# Altium PCB CSI2-IMX8M-EVK_Rev02.PcbDoc (part 1 of 2)
Units mm, origin at the board's own origin, x right, y up, seen from the top; angles counter-clockwise.
Board outline 42.53 x 74.03 mm, 4 copper layers (Layer1 Top, Layer2, Layer3, Layer4 Bottom), stack 1.59 mm thick; 126 components, 84 nets, 450 pads, 190 vias.
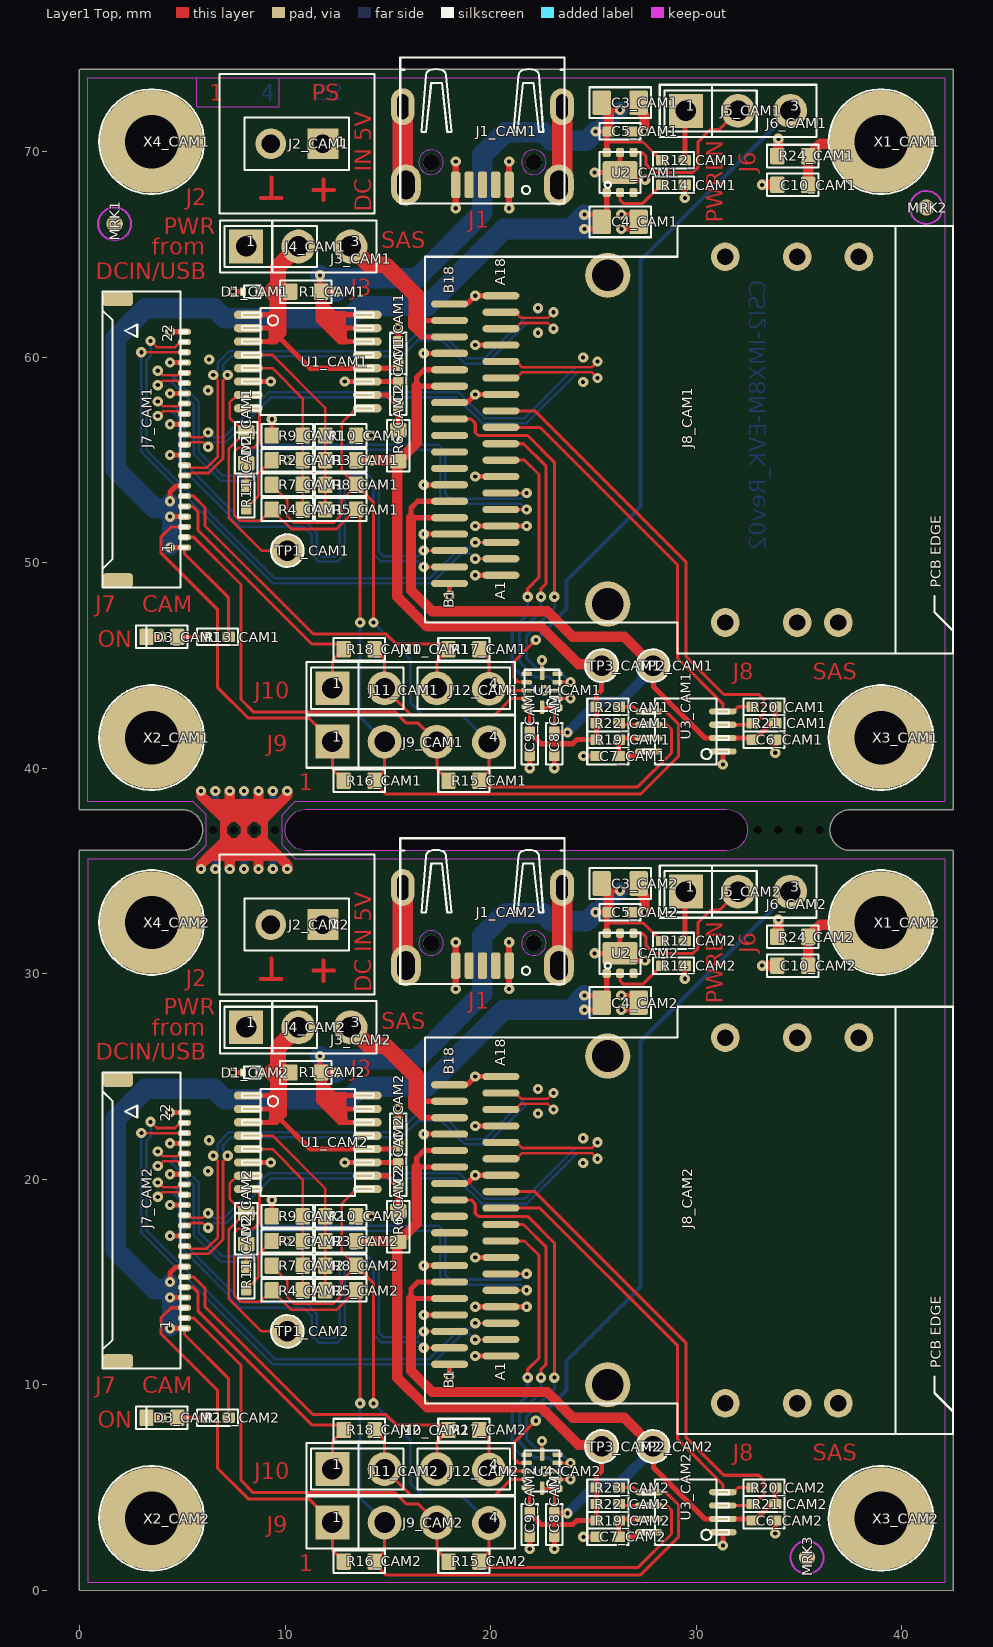
[diagram p0: Layer1 Top view]
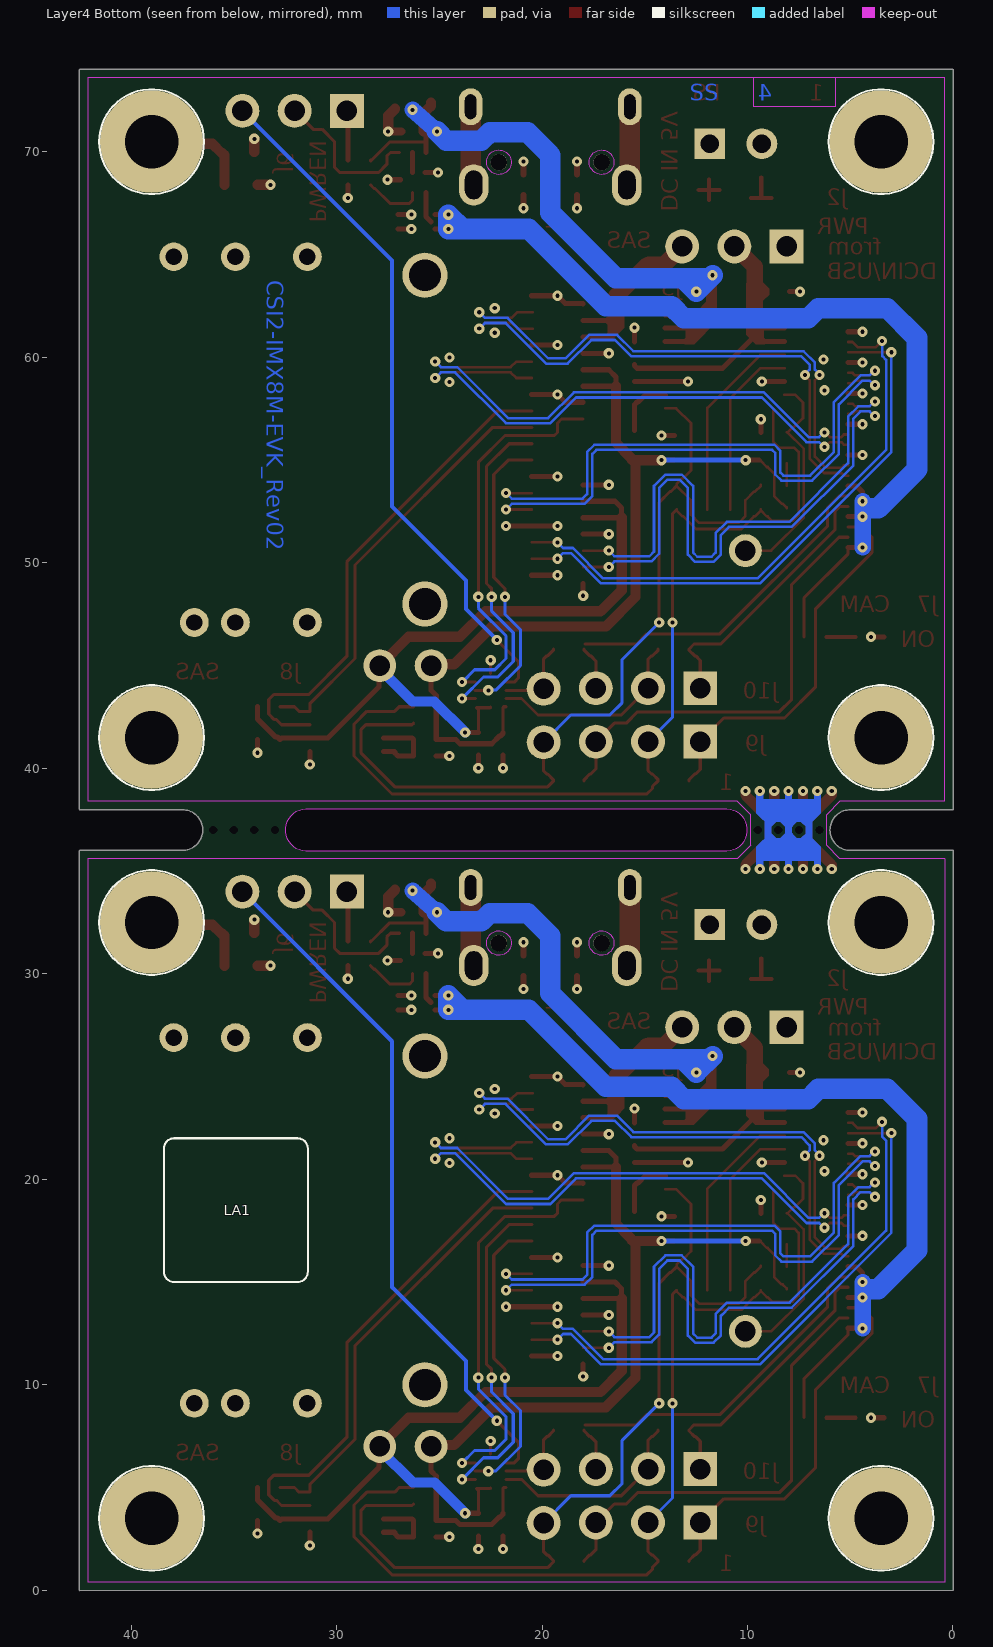
[diagram p1: Layer4 Bottom view, seen from below]
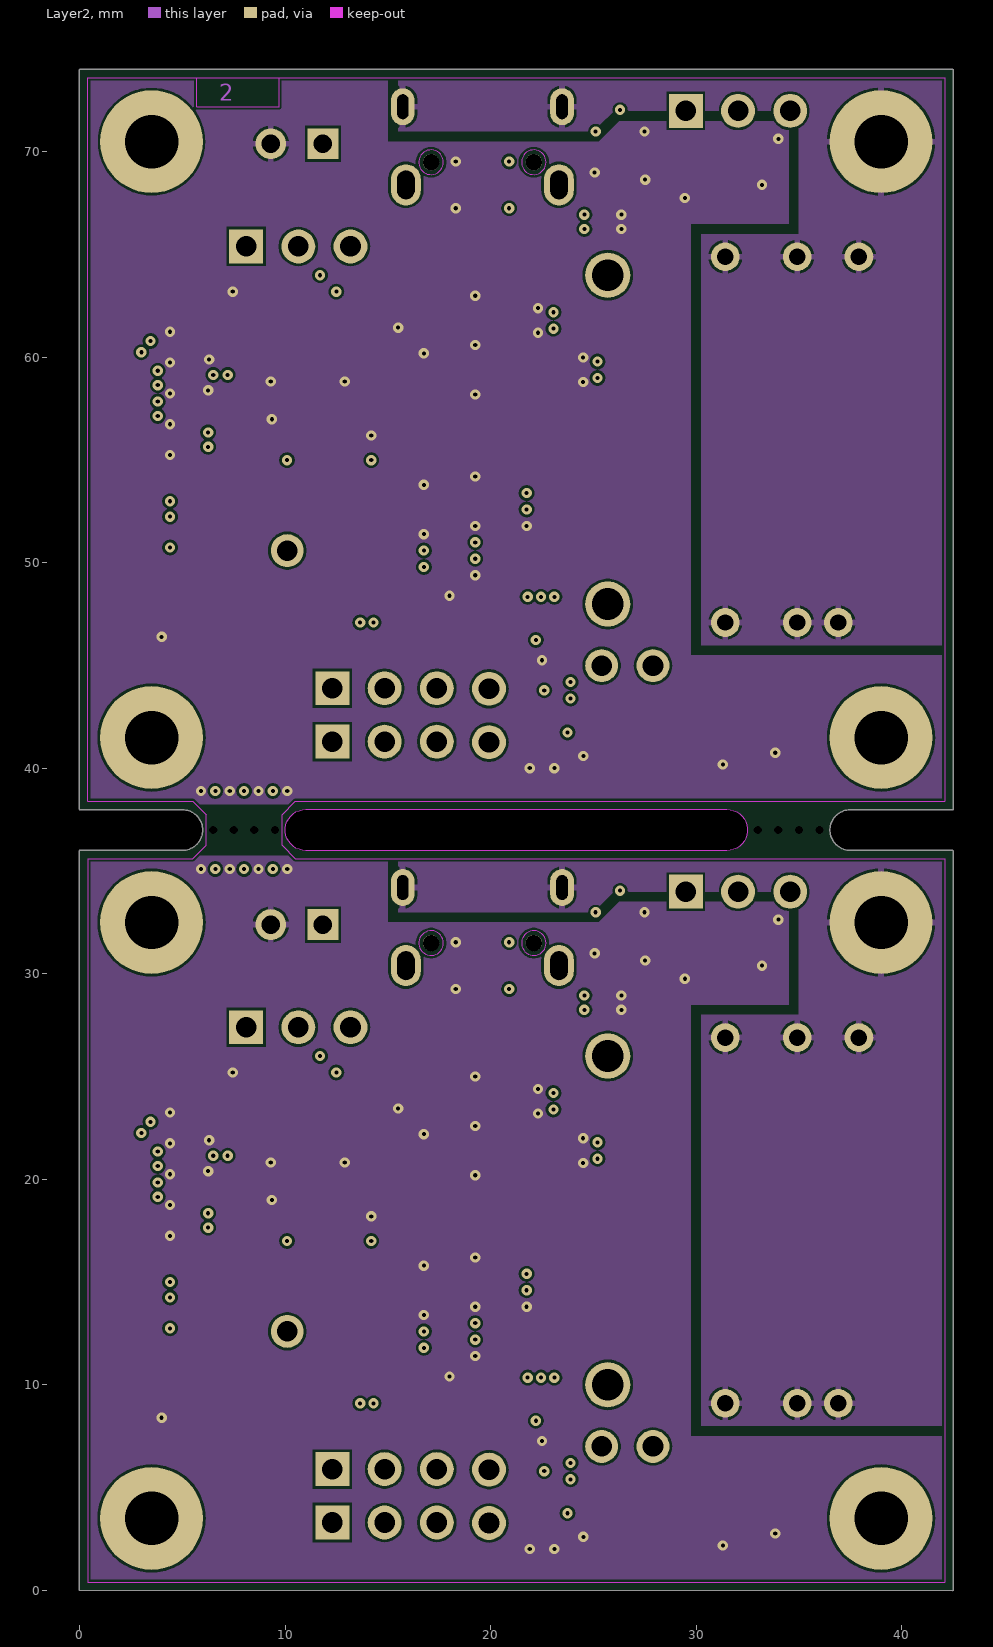
[diagram p2: Layer2]
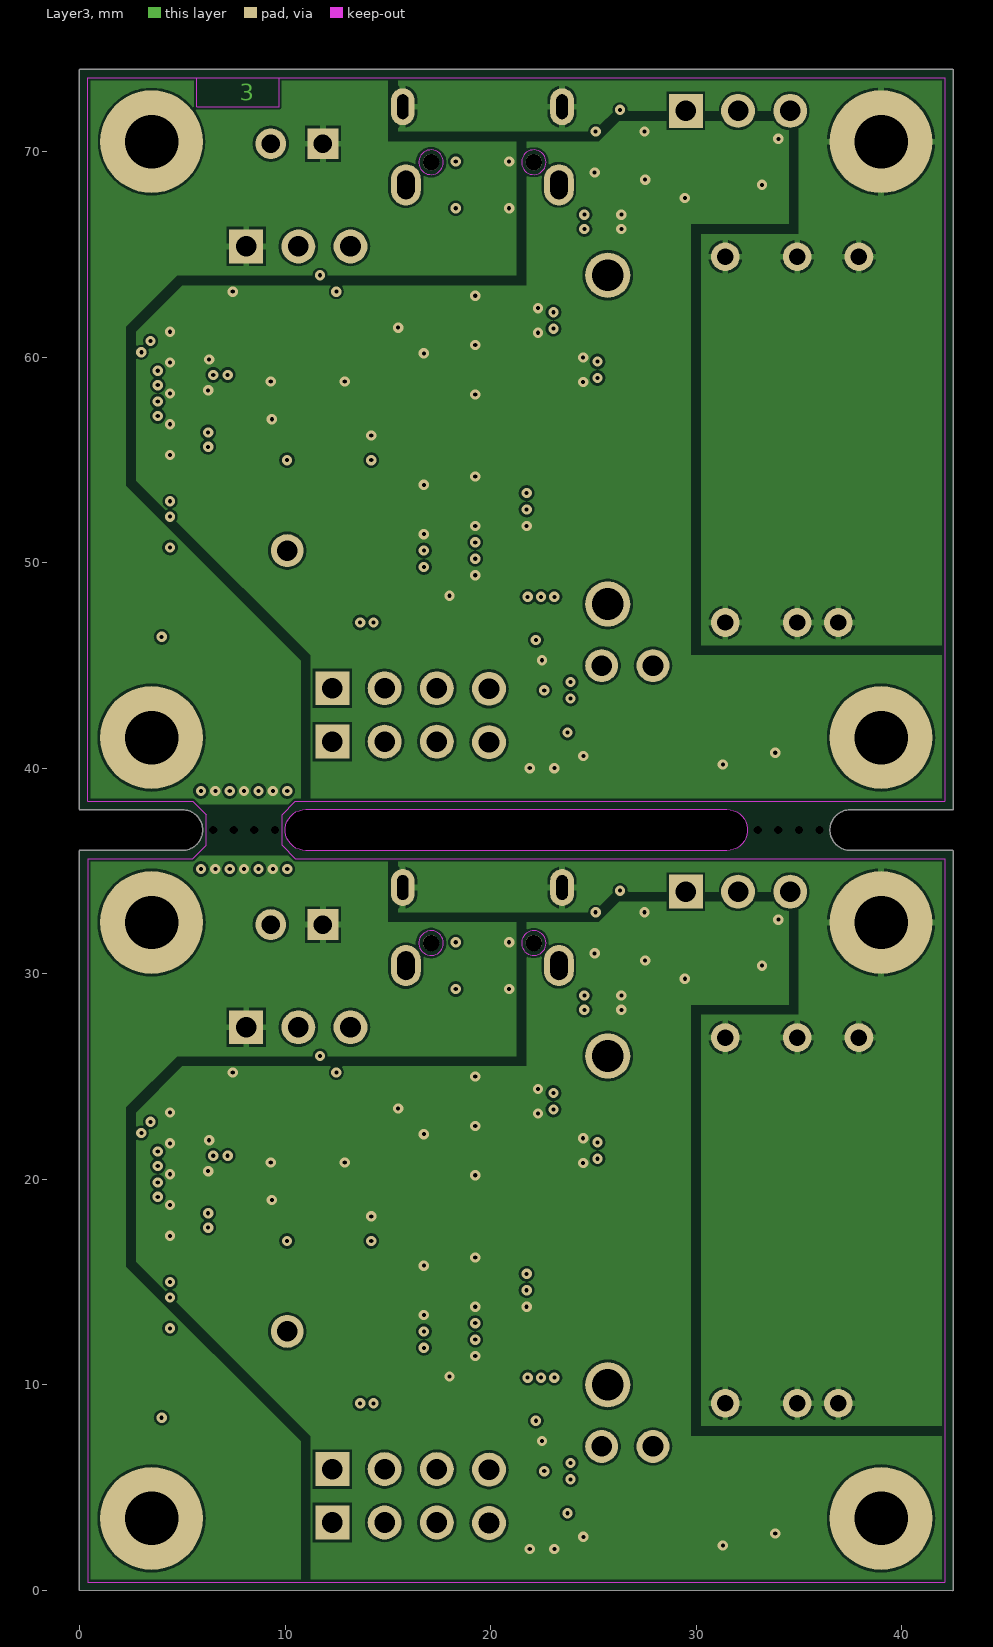
[diagram p3: Layer3]
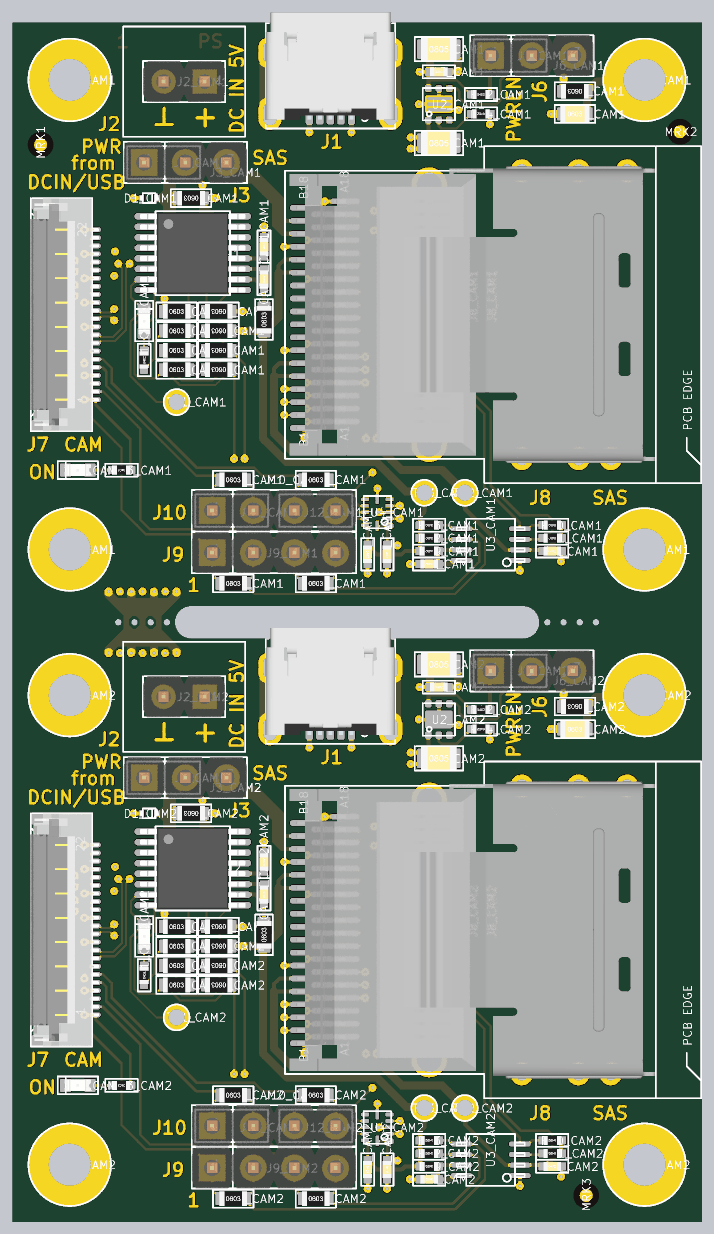
[diagram p5: 3D render of the assembled board from above, using the file's embedded part models]

## Layer stack, top to bottom
Top Solder: solder mask 0.025, Solder Resist, Dk 4
Layer1 Top: signal copper 0.035
Dielectric1: prepreg 0.16, PP-006, Dk 4.7
Layer2: signal copper 0.035
Dielectric2: core 1.13, Core-039, Dk 4.74
Layer3: signal copper 0.035
Dielectric3: prepreg 0.16, PP-006, Dk 4.7
Layer4 Bottom: signal copper 0.035
Bottom Solder: solder mask 0.025, Solder Resist, Dk 4

## Board outline
-0.013,0 -0.013,36 0,36.013 5,36.013 ccw(c5,37) 5.987,37 ccw(c5,37) 5,37.987 0,37.987 -0.013,38 -0.013,74 0,74.013 5,74.013 31.5,74.013 42.5,74.013 42.513,74 42.513,38 42.5,37.987 37.5,37.987 ccw(c37.5,37) 37.5,36.013 42.5,36.013 37.5,36.013 42.513,36 42.513,0 42.5,-0.013
cut-out: 11,38 31.5,38 cw(c31.5,37) 31.5,36 11,36 cw(c11,37)

## Design rules (kind name [scope] priority, off if disabled: settings)
Clearance [All] p1: gap=0.125 ignorepadtopadclearanceinfootprint=TRUE except(0: Arc-Hole Track-Hole SMDPad-Hole THPad-Hole Via-Hole Fill-Hole Poly-Hole Region-Hole Text-Hole; 0.3: SMDPad-SMDPad)
ComponentClearance [All] p1 off: gap=0.254 collisioncheckmode=3 verticalgap=0.254 showdistances=FALSE
DiffPairsRouting [All] p1: maxlimit=1 minlimit=0.125 mostfreqgap=0.125 toplayer_minwidth=0.125 toplayer_maxwidth=0.125 toplayer_prefwidth=0.125 midlayer1_minwidth=0.125 midlayer1_maxwidth=0.125 midlayer1_prefwidth=0.125 midlayer2_minwidth=0.125 midlayer2_maxwidth=0.125 midlayer2_prefwidth=0.125 bottomlayer_minwidth=0.125 bottomlayer_maxwidth=0.125 bottomlayer_prefwidth=0.125 maxuncoupledlength=12.7
FabricationTestPointUsage TestPointUsage [All] p1: valid=0 allowmultiple=FALSE
FabricationTestpoint Testpoint [All] p1: side=3 testpointundercomponent=TRUE minsize=1.016 maxsize=2.54 preferedsize=1.524 minholesize=0 maxholesize=1.016 preferedholesize=0.813 testpointgrid=0.025 allowsidetop=TRUE allowsidebottom=TRUE usegrid=TRUE gridtolerance=0
Height [All] p1 off: minheight=0 maxheight=25.4 prefheight=12.7
HoleSize [All] p1: absolutevalues=TRUE maxlimit=50 minlimit=0.025 maxpercent=80.000 minpercent=20.000
PlaneClearance [All] p1: clearance=0.3
PlaneConnect FreePads [(InPadClass('Free-Pads'))   or (isvia)] p1: planeconnectstyle=Direct reliefexpansion=0.508 reliefentries=4 reliefconductorwidth=0.254 reliefairgap=0.254
PlaneConnect [All] p2: planeconnectstyle=Relief reliefexpansion=0.2 reliefentries=4 reliefconductorwidth=0.2 reliefairgap=0.2
PolygonConnect VIA [isvia or InComponent('X2')] p1: connectstyle=Direct reliefconductorwidth=0.2 reliefentries=4 polygonreliefangle="90 Angle" airgapwidth=0.254
PolygonConnect PolygonConnect_1 [All] p2: connectstyle=Relief reliefconductorwidth=0.3 reliefentries=4 polygonreliefangle="90 Angle" airgapwidth=0.125
RoomDefinition CAM2 [InComponentClass('CAM2')] p1: confinementstyle=ConfineIn formatcopy=TRUE lockcomponents=FALSE outline -0.5,-0.5 43,-0.5 43,37 -0.5,37
RoomDefinition 14387-LEO-CSI2-IMX8M-EVK-1 [InComponentClass('14387-LEO-CSI2-IMX8M-EVK-1')] p2: confinementstyle=ConfineIn formatcopy=TRUE lockcomponents=FALSE outline -7,-6.5 133.5,-6.5 133.5,94 -7,94
RoomDefinition CAM1 [InComponentClass('CAM1')] p3: confinementstyle=ConfineIn formatcopy=TRUE lockcomponents=FALSE outline -0.5,37.5 43,37.5 43,75 -0.5,75
RoutingVias [All] p1: holewidth=0.2 width=0.5 viastyle="Through Hole" minholewidth=0.2 minwidth=0.5 maxholewidth=0.2 maxwidth=0.5
SilkToSolderMaskClearance SilkscreenOverComponentPads [IsPad] p1: minsilkscreentomaskgap=0.254 clearancetoexposedcopper=TRUE
SolderMaskExpansion SolderMaskExpansion_VIA [(IsVia)] p1: expansion=-9 istentingtop=FALSE
SolderMaskExpansion [All] p2: expansion=0.05 istentingtop=FALSE
Width [All] p1: maxlimit=2 minlimit=0.1 preferedwidth=0.15
21 further rules are at their usual default settings.

## Classes and differential pairs
channel class 14387-LEO-CSI2-IMX8M-EVK-2: CAM1 CAM2
component class CAM2: C1_CAM2 C2_CAM2 C3 C3_CAM2 C4 C4_CAM2 C5_CAM2 C6 C6_CAM2 C7_CAM2 C8 C8_CAM2 C9_CAM2 C10 C10_CAM2 C13 C14 C16 C18 C20 D1_CAM2 D2 D2_CAM2 D3_CAM2 D6 J1_CAM2 J2 J2_CAM2 J3_CAM2 J4 J4_CAM2 J5_CAM2 J6 J6_CAM2 J7_CAM2 J8 J8_CAM2 J9_CAM2 J10_CAM2 J11 J11_CAM2 J12 J12_CAM2 J14 J16 J18 J20 J23 J25 PCB1_CAM2 R1_CAM2 R2 R2_CAM2 R3_CAM2 R4 R4_CAM2 R5_CAM2 R6_CAM2 R7_CAM2 R8_CAM2 R9 R9_CAM2 R10 R10_CAM2 R11 R11_CAM2 R12 R12_CAM2 R13_CAM2 R14 R14_CAM2 R15_CAM2 R16_CAM2 R17_CAM2 R18_CAM2 R19 R19_CAM2 R20 R20_CAM2 R21 R21_CAM2 R22 R22_CAM2 R23_CAM2 R24_CAM2 R28 R31 R32 R37 R38 R39 R43 R44 R47 R48 R50 TP1_CAM2 TP2 TP2_CAM2 TP3_CAM2 TP4 TP6 U1_CAM2 U2 U2_CAM2 U3_CAM2 U4 U4_CAM2 U6 U8 X1_CAM2 X2_CAM2 X3 X3_CAM2 X4 X4_CAM2 X7 X8
component class 14387-LEO-CSI2-IMX8M-EVK-1: D7 J21 LA1 MRK1 MRK2 MRK3 R33 R40 T1 T2
net class "100 Ohm": B7-CSI2-TXC_CAM1_N B7-CSI2-TXC_CAM1_P B7-CSI2-TXC_CAM2_N B7-CSI2-TXC_CAM2_P B7-CSI2-TXD0_CAM1_N B7-CSI2-TXD0_CAM1_P B7-CSI2-TXD0_CAM2_N B7-CSI2-TXD0_CAM2_P B7-CSI2-TXD1_CAM1_N B7-CSI2-TXD1_CAM1_P B7-CSI2-TXD1_CAM2_N B7-CSI2-TXD1_CAM2_P B7-CSI2-TXD2_CAM1_N B7-CSI2-TXD2_CAM1_P B7-CSI2-TXD2_CAM2_N B7-CSI2-TXD2_CAM2_P B7-CSI2-TXD3_CAM1_N B7-CSI2-TXD3_CAM1_P B7-CSI2-TXD3_CAM2_N B7-CSI2-TXD3_CAM2_P
differential pair B7-CSI2-TXD3_CAM2: +B7-CSI2-TXD3_CAM2_P -B7-CSI2-TXD3_CAM2_N
differential pair B7-CSI2-TXD3_CAM1: +B7-CSI2-TXD3_CAM1_P -B7-CSI2-TXD3_CAM1_N
differential pair B7-CSI2-TXD2_CAM2: +B7-CSI2-TXD2_CAM2_P -B7-CSI2-TXD2_CAM2_N
differential pair B7-CSI2-TXD2_CAM1: +B7-CSI2-TXD2_CAM1_P -B7-CSI2-TXD2_CAM1_N
differential pair B7-CSI2-TXD1_CAM2: +B7-CSI2-TXD1_CAM2_P -B7-CSI2-TXD1_CAM2_N
differential pair B7-CSI2-TXD1_CAM1: +B7-CSI2-TXD1_CAM1_P -B7-CSI2-TXD1_CAM1_N
differential pair B7-CSI2-TXD0_CAM2: +B7-CSI2-TXD0_CAM2_P -B7-CSI2-TXD0_CAM2_N
differential pair B7-CSI2-TXD0_CAM1: +B7-CSI2-TXD0_CAM1_P -B7-CSI2-TXD0_CAM1_N
differential pair B7-CSI2-TXC_CAM2: +B7-CSI2-TXC_CAM2_P -B7-CSI2-TXC_CAM2_N
differential pair B7-CSI2-TXC_CAM1: +B7-CSI2-TXC_CAM1_P -B7-CSI2-TXC_CAM1_N

## Components (designator, comment, footprint, x,y, rotation, side; value= is the part's Value field where it differs from the comment)
C1_CAM1 "100n" C-0402_0.55 15.5,60.2 r90 top (schematic designator C1)
C1_CAM2 "100n" C-0402_0.55 15.5,22.2 r90 top (schematic designator C1)
C2_CAM1 "100n" C-0402_0.55 15.5,58.2 r90 top (schematic designator C2)
C2_CAM2 "100n" C-0402_0.55 15.5,20.2 r90 top (schematic designator C2)
C3_CAM1 "10u" C-0805_1.4 26.3,72.4 r0 top (schematic designator C3)
C3_CAM2 "10u" C-0805_1.4 26.3,34.4 r0 top (schematic designator C3)
C4_CAM1 "10u" C-0805_1.4 26.3,66.6 r0 top (schematic designator C4)
C4_CAM2 "10u" C-0805_1.4 26.3,28.6 r0 top (schematic designator C4)
C5_CAM1 "100n" C-0402_0.55 26.3,71 r0 top (schematic designator C5)
C5_CAM2 "100n" C-0402_0.55 26.3,33 r0 top (schematic designator C5)
C6_CAM1 "100n" C-0402_0.55 33.3,41.4 r0 top (schematic designator C6)
C6_CAM2 "100n" C-0402_0.55 33.3,3.4 r0 top (schematic designator C6)
C7_CAM1 "100p" C-0402_0.55 25.7,40.6 r180 top (schematic designator C7)
C7_CAM2 "100p" C-0402_0.55 25.7,2.6 r180 top (schematic designator C7)
C8_CAM1 "100n" C-0402_0.55 23.1,41.2 r270 top (schematic designator C8)
C8_CAM2 "100n" C-0402_0.55 23.1,3.2 r270 top (schematic designator C8)
C9_CAM1 "100n" C-0402_0.55 21.9,41.2 r270 top (schematic designator C9)
C9_CAM2 "100n" C-0402_0.55 21.9,3.2 r270 top (schematic designator C9)
C10_CAM1 "NL" C-0603_1.0 34.7,68.4 r0 top (schematic designator C10)
C10_CAM2 "NL" C-0603_1.0 34.7,30.4 r0 top (schematic designator C10)
D1_CAM1 "ESD9B5.0ST5G" D-SOD923 8.4,63.2 r0 top (schematic designator D1)
D1_CAM2 "ESD9B5.0ST5G" D-SOD923 8.4,25.2 r0 top (schematic designator D1)
D2_CAM1 "RED" D-0603-LED 8.1,55.6 r270 top (schematic designator D2)
D2_CAM2 "RED" D-0603-LED 8.1,17.6 r270 top (schematic designator D2)
D3_CAM1 "GREEN" D-0603-LED 4,46.4 r0 top (schematic designator D3)
D3_CAM2 "GREEN" D-0603-LED 4,8.4 r0 top (schematic designator D3)
J1_CAM1 "USB 2.0 Typ B 90°" J-629105150521 19.6,68.4 r180 top (schematic designator J1)
J1_CAM2 "USB 2.0 Typ B 90°" J-629105150521 19.6,30.4 r180 top (schematic designator J1)
J2_CAM1 "CON1x2" "CON 1x2 RM2.54" 11.84,70.4 r180 top (schematic designator J2)
J2_CAM2 "CON1x2" "CON 1x2 RM2.54" 11.84,32.4 r180 top (schematic designator J2)
J3_CAM1 "CON1x3" "CON 1x3 RM2.54" 8.1,65.4 r0 top (schematic designator J3)
J3_CAM2 "CON1x3" "CON 1x3 RM2.54" 8.1,27.4 r0 top (schematic designator J3)
J4_CAM1 "Jumper" J-JUMPER-2.54 9.3,65.4 r180 top (schematic designator J4)
J4_CAM2 "Jumper" J-JUMPER-2.54 9.3,27.4 r180 top (schematic designator J4)
J5_CAM1 "Jumper" J-JUMPER-2.54 30.7,72 r0 top (schematic designator J5)
J5_CAM2 "Jumper" J-JUMPER-2.54 30.7,34 r0 top (schematic designator J5)
J6_CAM1 "CON1x3" "CON 1x3 RM2.54" 29.5,72 r0 top (schematic designator J6)
J6_CAM2 "CON1x3" "CON 1x3 RM2.54" 29.5,34 r0 top (schematic designator J6)
J7_CAM1 "CON FFC22_Inverted" "J-FH55-22S-0.5SH - Inverted Pins" 5.1,56 r270 top (schematic designator J7)
J7_CAM2 "CON FFC22_Inverted" "J-FH55-22S-0.5SH - Inverted Pins" 5.1,18 r270 top (schematic designator J7)
J8_CAM1 "75783-0132" J-757830132 25.7,56 r90 top locked (schematic designator J8)
J8_CAM2 "75783-0132" J-757830132 25.7,18 r90 top (schematic designator J8)
J9_CAM1 "CON1x4" "CON 1x4 RM2.54" 12.3,41.3 r0 top (schematic designator J9)
J9_CAM2 "CON1x4" "CON 1x4 RM2.54" 12.3,3.3 r0 top (schematic designator J9)
J10_CAM1 "CON1x4" "CON 1x4 RM2.54" 12.3,43.9 r0 top (schematic designator J10)
J10_CAM2 "CON1x4" "CON 1x4 RM2.54" 12.3,5.9 r0 top (schematic designator J10)
J11_CAM1 "Jumper" J-JUMPER-2.54 13.5,43.9 r180 top (schematic designator J11)
J11_CAM2 "Jumper" J-JUMPER-2.54 13.5,5.9 r180 top (schematic designator J11)
J12_CAM1 "Jumper" J-JUMPER-2.54 18.7,43.9 r180 top (schematic designator J12)
J12_CAM2 "Jumper" J-JUMPER-2.54 18.7,5.9 r180 top (schematic designator J12)
LA1 "LABEL 7x7mm" "PCB LABEL 7x7" 34.9,18.5 r180 bottom
MRK1 "Marker Single Layer" PCB_MARKER_PAD_TOP 1.7,66.5 r90 top
MRK2 "Marker Single Layer" PCB_MARKER_PAD_TOP 41.2,67.3 r0 top
MRK3 "Marker Single Layer" PCB_MARKER_PAD_TOP 35.4,1.6 r0 top
R1_CAM1 "NL" R-0603_0.6 11,63.2 r180 top (schematic designator R1)
R1_CAM2 "NL" R-0603_0.6 11,25.2 r180 top (schematic designator R1)
R2_CAM1 "NL" R-0603_0.6 10.1,55 r0 top (schematic designator R2)
R2_CAM2 "NL" R-0603_0.6 10.1,17 r0 top (schematic designator R2)
R3_CAM1 "0R0" R-0603_0.6 12.7,55 r180 top (schematic designator R3)
R3_CAM2 "0R0" R-0603_0.6 12.7,17 r180 top (schematic designator R3)
R4_CAM1 "NL" R-0603_0.6 10.1,52.6 r0 top (schematic designator R4)
R4_CAM2 "NL" R-0603_0.6 10.1,14.6 r0 top (schematic designator R4)
R5_CAM1 "NL" R-0603_0.6 12.7,52.6 r180 top (schematic designator R5)
R5_CAM2 "NL" R-0603_0.6 12.7,14.6 r180 top (schematic designator R5)
R6_CAM1 "0R0" R-0603_0.6 15.5,55.7 r90 top (schematic designator R6)
R6_CAM2 "0R0" R-0603_0.6 15.5,17.7 r90 top (schematic designator R6)
R7_CAM1 "NL" R-0603_0.6 10.1,53.8 r0 top (schematic designator R7)
R7_CAM2 "NL" R-0603_0.6 10.1,15.8 r0 top (schematic designator R7)
R8_CAM1 "NL" R-0603_0.6 12.7,53.8 r180 top (schematic designator R8)
R8_CAM2 "NL" R-0603_0.6 12.7,15.8 r180 top (schematic designator R8)
R9_CAM1 "0R0" R-0603_0.6 10.1,56.2 r0 top (schematic designator R9)
R9_CAM2 "0R0" R-0603_0.6 10.1,18.2 r0 top (schematic designator R9)
R10_CAM1 "NL" R-0603_0.6 12.7,56.2 r180 top (schematic designator R10)
R10_CAM2 "NL" R-0603_0.6 12.7,18.2 r180 top (schematic designator R10)
R11_CAM1 "1k5" R-0402_0.4 8.1,53.2 r90 top (schematic designator R11)
R11_CAM2 "1k5" R-0402_0.4 8.1,15.2 r90 top (schematic designator R11)
R12_CAM1 "270k" R-0402_0.4 28.9,69.6 r0 top (schematic designator R12)
R12_CAM2 "270K" R-0402_0.4 28.9,31.6 r0 top (schematic designator R12)
R13_CAM1 "3k3" R-0402_0.4 6.7,46.4 r180 top (schematic designator R13)
R13_CAM2 "3k3" R-0402_0.4 6.7,8.4 r180 top (schematic designator R13)
R14_CAM1 "51k" R-0402_0.4 28.9,68.4 r180 top (schematic designator R14)
R14_CAM2 "51k" R-0402_0.4 28.9,30.4 r180 top (schematic designator R14)
R15_CAM1 "0R0" R-0603_0.6 18.7,39.4 r0 top (schematic designator R15)
R15_CAM2 "0R0" R-0603_0.6 18.7,1.4 r0 top (schematic designator R15)
R16_CAM1 "0R0" R-0603_0.6 13.6,39.4 r0 top (schematic designator R16)
R16_CAM2 "0R0" R-0603_0.6 13.6,1.4 r0 top (schematic designator R16)
R17_CAM1 "NL" R-0603_0.6 18.7,45.8 r0 top (schematic designator R17)
R17_CAM2 "NL" R-0603_0.6 18.7,7.8 r0 top (schematic designator R17)
R18_CAM1 "NL" R-0603_0.6 13.6,45.8 r0 top (schematic designator R18)
R18_CAM2 "NL" R-0603_0.6 13.6,7.8 r0 top (schematic designator R18)
R19_CAM1 "200k" R-0402_0.4 25.7,41.4 r180 top (schematic designator R19)
R19_CAM2 "200k" R-0402_0.4 25.7,3.4 r180 top (schematic designator R19)